# Altium PCB test.PcbDoc (part 2 of 2)
Units mil, origin at the board's own origin, x right, y up, seen from the top; angles counter-clockwise.
Board outline 3937.01 x 2755.91 mil, 2 copper layers (Top Layer, Bottom Layer); 153 components, 162 nets, 624 pads, 157 vias.
Unrouted connection lines stored in the file: 2.
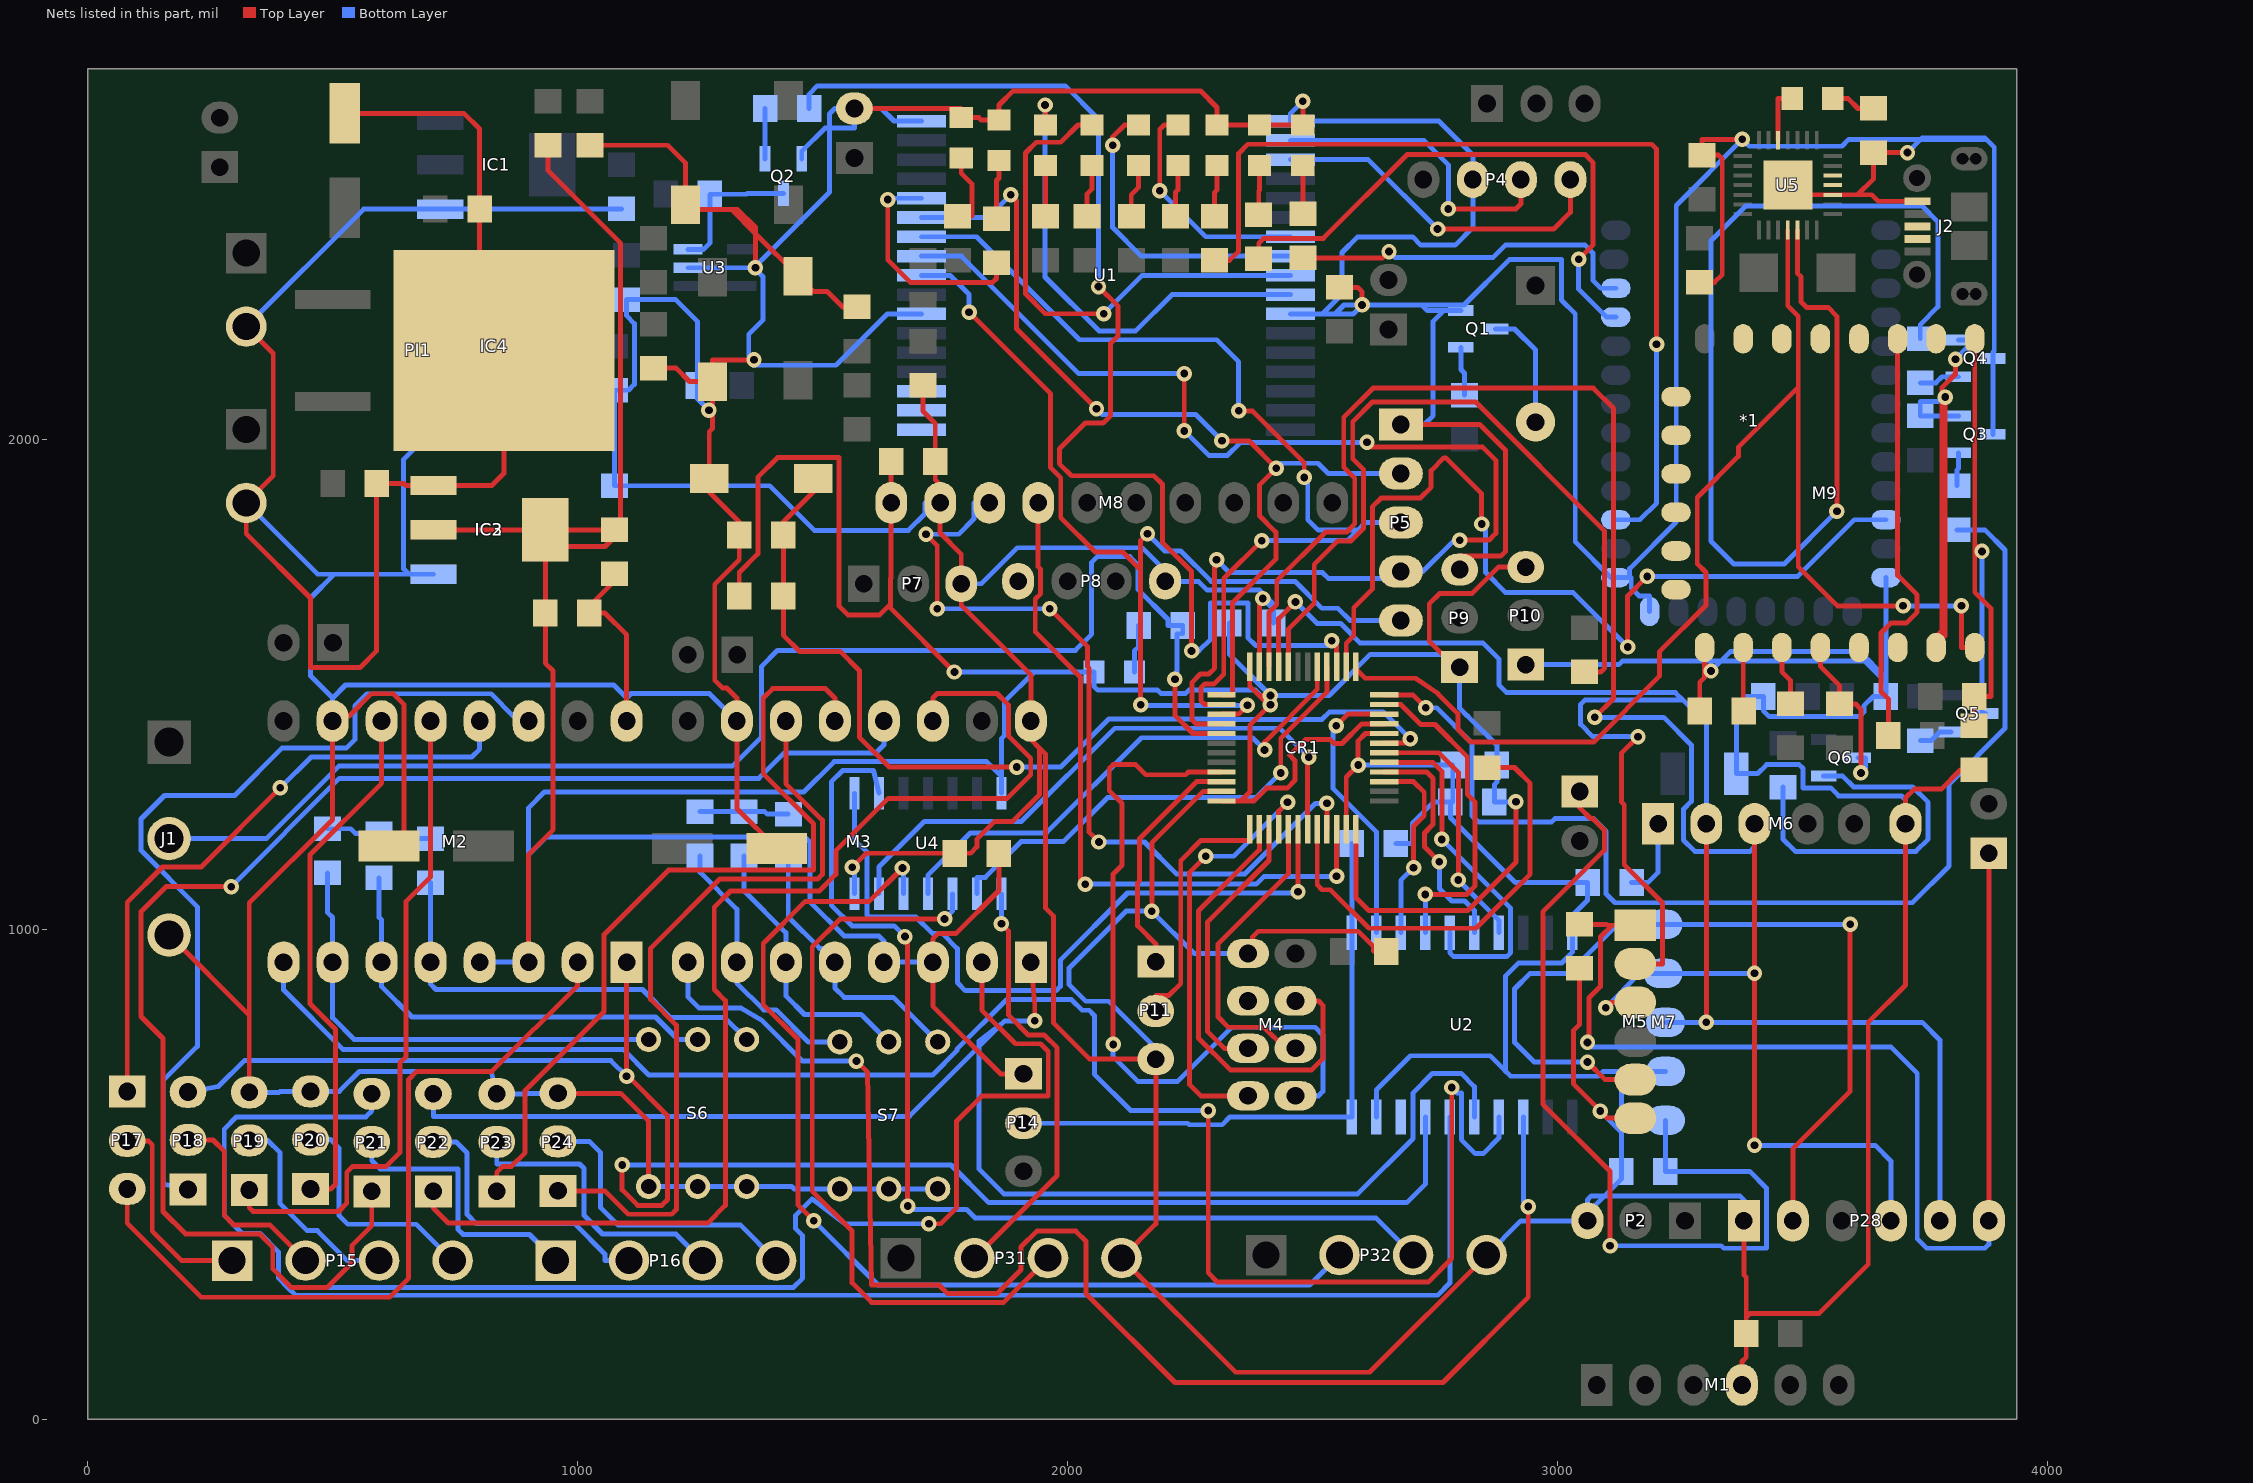
[diagram p2: the nets of this part, all layers, seen from the top]

## Via types
v1: diameter 31.5, hole 15.75, Top Layer to Bottom Layer, 157 vias

## Nets (pads, with @x,y where several pads share a name; then routed paths per layer and width w, separated by ;. In a path a pad name is that pad's centre, name@x,y a point inside that pad or via, vN(x,y) a via of type N, cw(c..) or ccw(c..) an arc to the next point about the centre after c; other vN are vias at no path point) (continued)
DWM_SPI_CLK: CR1.26 P5.3 U1.28 | length 1994.8
  Top Layer w10: CR1.26@2314,1458.58 2280,1458.58 2272,1466.58 2272,1492.61 2280,1500.61 2299.3,1500.61 2318.69,1520 2318.69,1715.69 v1(2396,1793) ; v1(2349,2058) 2377,2058 2483,1952 v1(2483,1922)
  Bottom Layer w10: U1.28@1701.85,2413.11 1814.21,2413.11 2024.32,2203 2304,2203 2349,2158 v1(2349,2058) ; v1(2396,1793) 2571,1793 2592.5,1814.5 ; v1(2483,1922) 2490,1915 2490,1836 2511.5,1814.5 2592.5,1814.5 ; P5.3@2680,1830 2608,1830 2592.5,1814.5
DWM_SPI_CSn: CR1.25 P5.2 U1.29 | length 1945.2
  Top Layer w10: v1(1884,2499) 1896,2487 1896,2225 v1(2059,2062) ; CR1.25@2314,1478.27 2336.69,1478.27 2336.69,1666.71 2425,1755.01 2425,1810.53 2391.25,1844.28 2391.25,1906.25 v1(2426,1941) 2370.25,1996.75 v1(2315,1996.75)
  Bottom Layer w10: U1.29@1701.85,2452.48 1837.48,2452.48 v1(1884,2499) ; v1(2059,2062) 2070.25,2050.75 2261,2050.75 v1(2315,1996.75) ; v1(2426,1941) 2436,1951 2511,1951 2532,1930 P5.2@2680,1930
DWM_SPI_MISO: CR1.27 P5.5 U1.26 | length 2077.5
  Top Layer w10: v1(1799,2259) 1965.25,2092.75 1965.25,1942 1986,1921.25 1986,1840 2056,1770 2112,1770 2149,1733 ; v1(2149,1458) 2149,1733 ; v1(2163,1807) 2149,1793 2149,1733 ; CR1.27@2314,1438.9 2348.9,1438.9 v1(2367,1457)
  Bottom Layer w10: U1.26@1701.85,2334.37 1760,2334.37 1799,2295.37 v1(1799,2259) ; v1(2149,1458) 2150,1457 v1(2367,1457) ; v1(2163,1807) 2198,1772 2231,1772 2293,1710 2464,1710 2519,1655 2551.46,1655 2576.46,1630 P5.5@2680,1630
DWM_SPI_MOSI: CR1.28 P5.4 U1.27 | length 2638.3
  Top Layer w10: v1(2238,2017) v1(2238,2134) ; v1(2304,1754) 2304,1742 2300,1738 2300,1533 2288,1521 2271,1521 2254,1504 2254,1426.98 2261.77,1419.21 CR1.28@2314,1419.21 ; v1(2611,1993.61) 2611,1992 2619,1984 2847,1984 2874,1957 2874,1808 2860,1794 v1(2800,1794)
  Bottom Layer w10: U1.27@1701.85,2373.74 1783.26,2373.74 2023,2134 v1(2238,2134) ; v1(2238,2017) 2288,1967 2326.39,1967 2353,1993.61 v1(2611,1993.61) ; v1(2304,1754) 2330,1728 2520,1728 2532,1716 2668,1716 2668,1730 P5.4@2680,1730 2725,1730 2789,1794 v1(2800,1794)
DWM_SWCLK: P4.2 U1.2 | length 634.8
  Top Layer w10: v1(2777,2470) 2915,2470 2925,2480 P4.2@2925,2530
  Bottom Layer w10: U1.2@2455,2609.96 2727.04,2609.96 2777,2560 v1(2777,2470)
DWM_SWDIO: P4.1 U1.3 | length 710.7
  Top Layer w10: v1(2755,2429) 2992,2429 3026,2463 P4.1@3026,2530
  Bottom Layer w10: U1.3@2455,2570.59 2613.41,2570.59 v1(2755,2429)
DWM_TX: P8.1
DWM_TX_LED: R10.2 U1.30 | length 469.4
  Top Layer w10: v1(1633,2489) 1633,2366 1679,2320 1847,2320 1855,2328 R10.2@1855,2360
  Bottom Layer w10: v1(1633,2489) 1635.85,2491.85 U1.30@1701.85,2491.85
ENC_1A: P31.2 U4.1 | length 879.5
  Top Layer w10: P31.2@1810,328.86 1978.5,497.36 1978.5,758.19 1952.44,784.25 1920,784.25 1879,825.25 1879,997 v1(1865,1011)
  Bottom Layer w10: v1(1865,1011) U4.1@1865,1072.5
ENC_1B: P31.3 U4.3 | length 1524.8
  Top Layer w10: v1(1749,1021) 1536,1021 1479,964 1479,465.5 1560.23,384.27 1560.23,278.29 1600,238.52 1869.66,238.52 P31.3@1960,328.86
  Bottom Layer w10: v1(1749,1021) 1765,1037 U4.3@1765,1072.5
ENC_2A: P32.2 U4.5 | length 2162.3
  Top Layer w10: v1(1482,405) 1450,437 1450,775 1379,846 1379,971 1465,1057 1595,1057 v1(1663,1125)
  Bottom Layer w10: v1(1482,405) 1613,274 2494,274 P32.2@2555,335 ; v1(1663,1125) 1665,1123 U4.5@1665,1072.5
ENC_2B: P32.3 U4.9 | length 2197
  Top Layer w10: v1(1668,985) 1673.59,979.41 v1(1673.59,435)
  Bottom Layer w10: U4.9@1615,1277.5 1604,1324 1541,1324 1518,1301 1518,1049 1560,1007 1646,1007 v1(1668,985) ; v1(1673.59,435) 1680.59,428 1794,428 1811,411 2629,411 P32.3@2705,335
ESP_ADC: M9.2
ESP_ENB: M9.3 R34.2 | length 881.5
  Top Layer w10: R34.2@3675,1395 3675,1470 3660,1485 3660,1604.6 3680,1624.6 3711.1,1624.6 3733.75,1647.25 3733.75,1682.25 3693.74,1722.26 M9.3@3693.74,2204.92
ESP_GPIO0: M9.18 Q6.3 R32.2 | length 359
  Top Layer w10: M9.18@3536.26,1575 3536.26,1536.74 3575,1498 R32.2@3575,1460 3608,1460 3619,1449 v1(3619,1319)
  Bottom Layer w10: Q6.3@3613.36,1350 3628,1350 3628,1328 v1(3619,1319)
ESP_GPIO2: M9.17 R33.2 | length 122.2
  Top Layer w10: M9.17@3457.52,1575 3457.52,1525.48 3475,1508 R33.2@3475,1460
ESP_GPIO4: M9.19
ESP_GPIO5: M9.20
ESP_GPIO9: M9.11
ESP_GPIO10: M9.12
ESP_GPIO12: M9.6
ESP_GPIO13: M9.7
ESP_GPIO14: M9.5
ESP_GPIO15: M9.16 R36.2 | length 131.2
  Top Layer w10: M9.16@3378.78,1575 3378.78,1445 R36.2@3380,1445
ESP_GPIO16: M9.4
ESP_nRST: C34.2 M9.1 Q5.3 R35.2 | length 1197.1
  Top Layer w10: C34.2@3850,1415 R35.2@3850,1475 3884.22,1475 3884.22,1654.78 3851.22,1687.78 3851.22,1785.78 ; M9.1@3851.22,2204.92 3851.22,1785.78 ; v1(3866,1771) 3851.22,1785.78
  Bottom Layer w10: v1(3866,1771) 3866,1440 Q5.3@3873.36,1440
ESP_RX: M9.21 Q3.2 Q4.2 R29.1 | length 1362.2
  Top Layer w10: M9.21@3772.48,1575 M9.21@3772.48,1598.25 ; v1(3791,2086) 3791,1598.25 M9.21@3772.48,1598.25 ; v1(3812,2163) 3812,2133 3784.75,2105.75 3784.75,1610.52 M9.21@3772.48,1598.25
  Bottom Layer w10: v1(3791,2086) 3782,2077 3740,2077 R29.1@3740,2047.5 Q3.2@3817.79,2047.5 ; v1(3812,2163) 3851.5,2202.5 Q4.2@3817.79,2202.5
ESP_SPI_CLK: M9.14
ESP_SPI_INT: M9.13
ESP_SPI_MISO: M9.10
ESP_SPI_MOSI: M9.9
ESP_TX: CR1.13 M9.22 U5.25 | length 2652.7
  Top Layer w10: CR1.13@2588.27,1536 2588.27,1531.26 2607.24,1512.3 2709.75,1512.3 2755.67,1480.75 2796.42,1440 2796.42,1408.58 2823,1382 3073.34,1382 3207.75,1516.4 3207.75,1566.2 3302.77,1661.23 3302.77,1728 3285,1745.77 3285,1881 3369,1965 3369,1984 3491,2106 ; U5.25@3469.69,2427 3469.69,2272.31 3491,2251 3491,2106 ; v1(3705,1660) 3571,1660 3491,1740 3491,2106 ; v1(3824,1660) 3824,1575 M9.22@3851.22,1575
  Bottom Layer w10: v1(3705,1660) v1(3824,1660)
LED: CR1.29 J1.2 R19.1 | length 2879.6
  Top Layer w10: v1(2219,1510) 2219,1436.53 2256,1399.53 CR1.29@2314,1399.53
  Bottom Layer w10: J1.2@166.34,1185 365,1185 513.5,1333.5 1316.5,1333.5 1375,1392 1375,1536 1408,1569 2016,1569 2049,1602 2049,1749 2060.5,1760.5 2127,1760.5 2143.5,1744 2143.5,1693.5 2205,1632 2205,1620 R19.1@2235,1620 2235,1603.11 2223.34,1603.11 2223.34,1514.34 v1(2219,1510)
MTR1_A1: M2.13 P17.1 | length 1291.9
  Top Layer w10: P17.1@81,669 81,1055 153,1127 232,1127 v1(393.5,1288.5)
  Bottom Layer w10: v1(393.5,1288.5) 456.5,1351.5 784,1351.5 800,1367.5 M2.13@800,1425
MTR1_A2: M2.14 P18.1 | length 1839.2
  Bottom Layer w10: P18.1@205,469 154.5,480 154.5,691.5 224,761 224,1046 109.05,1160.95 109.05,1225.05 157,1273 300,1273 396.5,1369.5 528,1369.5 545.5,1387 545.5,1456 570,1480.5 823.5,1480.5 869,1435 900,1435 M2.14@900,1425
MTR1_B1: M2.12 P19.1 | length 1340.2
  Top Layer w10: P19.1@330,468 330,432 338,424 512,424 529,441 529,504 541,516 609.33,516 637.33,544 637.33,727.5 650,740.17 650,1057 700,1107 M2.12@700,1425
MTR1_B2: M2.11 P20.1 | length 1082.2
  Top Layer w10: P20.1@455,470 496,470 506,480 506,796 454,848 454,1152 600,1298 M2.11@600,1425
MTR1_C1: P15.1 P17.2 | length 418.3
  Top Layer w10: P17.2@81,568 124,568 132,560 132,383.86 192,323.86 P15.1@295,323.86
MTR1_C2: P15.2 P18.2 | length 418.7
  Top Layer w10: P18.2@205,570 256,570 279,547 279,416 298.8,396.2 372.66,396.2 P15.2@445,323.86
MTR1_C3: P15.3 P19.2 | length 427.5
  Bottom Layer w10: P19.2@330,569 368,569 393,544 393,440 448,385 469,385 530.14,323.86 P15.3@595,323.86
MTR1_C4: P15.4 P20.2 | length 473.2
  Bottom Layer w10: P20.2@455,571 496,571 513,554 513,416 531,398 670.86,398 P15.4@745,323.86
MTR1_DIR: M2.1 P18.3 U2.17 | length 3438.8
  Top Layer w10: v1(1091,519) 1091,468 1122.59,436.41 1172,436.41 1183.59,448 1183.59,619.41 v1@1100,703 ; v1(1100,700) v1@1100,703 ; M2.1@1100,932.87 v1@1100,703
  Bottom Layer w10: P18.3@205,668 267,679 320,732 1068,732 v1(1100,700) ; v1(1091,519) 1762,519 1839,442 2692,442 2730,480 U2.17@2730,617
MTR1_ENB: M2.8 U2.14 | length 3714.5
  Top Layer w10: v1(2287,630) 2287,299 2306,280 2736,280 2784,328 v1(2784,677)
  Bottom Layer w10: M2.8@400,932.87 400,876 521,755 1093,755 1145.75,702.25 1724.25,702.25 1774,752 1774,754.73 1876,856.73 2007.81,856.73 2029.8,834.75 2044,834.75 2054.75,824 2054.75,704 2128.75,630 v1(2287,630) ; v1(2784,677) 2795,666 2803.5,666 2803.5,570.5 2832,542 2848,542 2880,574 U2.14@2880,617
MTR1_PWM: M2.2 P17.3 | length 1600.3
  Top Layer w10: P17.3@81,470 81,400 232,249 616.33,249 655.33,288 655.33,693.33 672,710 825,710 1000,885 M2.2@1000,932.87
MTR1_PWM_MCU: U2.18
MTR2_A1: M3.13 P21.1 | length 2995.3
  Top Layer w10: v1(293,1087) 160,1087 109,1036 109,822 154,777 154,424 199.8,378.2 351,378.2 378,351.2 378,307 416,269 489,269 540,320 540,355 580,395 P21.1@580,465
  Bottom Layer w10: v1(293,1087) 514,1308 1370,1308 1422,1360 1609,1360 1625,1376 M3.13@1625,1425
MTR2_A2: M3.14 P22.1 | length 2437.1
  Top Layer w10: P22.1@705.83,465 705.83,431.17 736.59,400.41 1265.59,400.41 1301.59,436.41 1301.59,854.41 1279,877 1279,1045 1312,1078 1493,1078 1527.06,1112.06 1527.06,1159.94 1634.11,1267 1876.84,1267 1924.75,1314.91 1924.75,1348.75 1879,1394.5 1879,1458 1856,1481 1734,1481 1725,1472 M3.14@1725,1425
MTR2_B1: M3.12 P23.1 | length 1709.9
  Top Layer w10: P23.1@835,465 835,504 847,516 865,516 893,544 893,671 1054,832 1054,989 1185.5,1120.5 1481.47,1120.5 1481.47,1214.99 1379,1317.46 1379,1472 1398,1491 1506,1491 1525,1472 M3.12@1525,1425
MTR2_B2: M3.11 P24.1 | length 1576.9
  Top Layer w10: P24.1@960,466 1055.77,466 1103.36,418.41 1192,418.41 1201.59,428 1201.59,804.41 1149,857 1149,961 1290.5,1102.5 1489.97,1102.5 1499.47,1112 1499.47,1222.53 1425,1297 M3.11@1425,1425
MTR2_C1: P16.1 P21.2 | length 570.2
  Bottom Layer w10: P21.2@580,566 580,528 597,511 756.33,511 756.33,387 766.33,377 901.82,377 P16.1@955,323.82
MTR2_C2: P16.2 P22.2 | length 580.7
  Bottom Layer w10: P22.2@705.83,566 752,566 774.33,543.67 774.33,418.2 793.52,399 994,399 1056,337 1056,323.82 P16.2@1105,323.82
MTR2_C3: P16.3 P23.2 | length 602.9
  Bottom Layer w10: P23.2@835,566 835,521 1004,521 1013,512 1013,416 1050.84,378.16 1200.66,378.16 P16.3@1255,323.82
MTR2_C4: P16.4 P24.2 | length 611.3
  Bottom Layer w10: P24.2@960,567 1024,567 1047,544 1047,432 1082.84,396.16 1332.66,396.16 P16.4@1405,323.82
MTR2_DIR: M3.1 P22.3 U2.15 | length 3063.6
  Top Layer w10: M3.1@1925,932.87 1933,845 v1(1933,813)
  Bottom Layer w10: P22.3@705.83,664 705.83,618 1677,618 1819,760 ; v1(1933,813) 1872,813 ; U2.15@2830,617 2830,678.84 2803.09,705.75 2744.75,705.75 2705,666 2705,573 2592,460 1870,460 1819,511 1819,760 ; 1819,760 1872,813 ; 1819,760 1819,772 1872,813
MTR2_ENB: M3.8 U2.13 | length 2994.3
  Top Layer w10: v1(1569,731) 1592,708 1600,274 1737.66,274 1755.14,256.52 1856,256.52 1905,305.52 1905,352 1937,384 2017,384 2037.66,363.34 2037.66,256.52 2219.18,75 2766,75 2940,249 v1(2940,434)
  Bottom Layer w10: M3.8@1225,932.87 1225,862 1248,839 1334,839 1376,814 1459,731 v1(1569,731) ; U2.13@2930,617 2930,444 v1(2940,434)
MTR2_PWM: M3.2 P21.3 U2.16 | length 5786.1
  Top Layer w10: v1(1717,399) 1741.18,399 1773.59,431.41 1773.59,608.59 1824.5,659.5 1960.5,659.5 1960.5,750.5 1944.75,766.25 1893.59,766.25 1825,834.85 M3.2@1825,932.87
  Bottom Layer w10: P21.3@580,664 580,629 568,617 304,617 279,592 279,416 316,379 352,379 390,341 390,288 409,269 ; v1(1717,399) 1545.5,399 1478.75,449.75 1445,416 1445,389.16 1459.34,374.82 1459.34,288 1440.34,269 409,269 ; U2.16@2780,617 2780,278 2755,253 425,253 409,269
Net*1_11: *1.11 CR1.14 | length 1875.5
  Top Layer w10: CR1.14@2568.58,1536 2568.58,1583.58 2584,1599 2584,1656 2622,1694 2622,1862 2640,1880 2720,1880 2742,1902 2742,1936 2768,1962 2772,1962 2845,1889 v1(2845,1827) ; v1(3143,1576) 3143,1680 v1(3183,1720)
  Bottom Layer w10: v1(2845,1827) 2853,1819 2853,1728 2894,1687 3032,1687 v1(3143,1576) ; v1(3183,1720) 3490,1720 3605.67,1835.67 *1.11@3670,1835.67
Net*1_24: *1.24 R3.1 | length 1940.5
  Top Layer w10: R3.1@2300,2365 2330,2365 2349,2384 2349,2583 2368,2602 3192,2602 3202,2592 v1(3202,2194)
  Bottom Layer w10: *1.24@3118.82,1835.67 3168,1835.67 3202,1869.67 v1(3202,2194)
Net*1_31: *1.31 R2.1 | length 1165.4
  Top Layer w10: R2.1@2390,2368.54 2390,2400 2400,2410 2522,2410 2693,2581 3056,2581 3072,2565 3072,2396 v1(3043,2367)
  Bottom Layer w10: v1(3043,2367) 3043,2306.06 3100,2249.06 *1.31@3118.82,2249.06
Net*1_32: *1.32 R1.1 | length 728.6
  Top Layer w10: R1.1@2480,2370 2643,2370 v1(2655.94,2382.94)
  Bottom Layer w10: v1(2655.94,2382.94) 2667.82,2371.06 2868.45,2371.06 2893.39,2396 3056,2396 3072,2380 3072,2324.11 3088,2308.11 *1.32@3118.82,2308.11
NetB*1_2: B*1.2 Q1.3 | length 246.5
  Bottom Layer w10: Q1.3@2873.36,2225 2912,2225 2955,2182 B*1.2@2955,2035
NetC24_2: C24.2 M5.1 P28.6 P29.1 | length 2366.7
  Top Layer w10: C24.2@3045,1010 3100,1010 3101.89,1008.11 3111.11,1008.11 ; v1(3061,769) 3063.78,771.78 3063.78,859.78 3087.53,883.53 3087.53,984.53 3111.11,1008.11 ; M5.1@3158.78,1008.11 3111.11,1008.11 ; P28.6@3880,405 P29.1@3880,1155
  Bottom Layer w10: v1(3061,769) 3070,760 3680,760 3734,706 3734,368 3753,349 3872,349 3880,357 P28.6@3880,405
NetC26_2: C26.2 M7.1 P30.1 | length 1827.7
  Top Layer w10: P30.1@3045,1281 3045,1248 3067,1226 3072,1226 3095.5,1202.5 3095.5,1161 2970,1035.5 2970,643 3107,506 v1(3107,354)
  Bottom Layer w10: v1(3107,354) 3334,354 3339,349 3426,349 3426,472 3392,506 C26.2@3220,506 M7.1@3220,610
NetCR1_3: CR1.3 U2.3 | length 396.8
  Top Layer w10: CR1.3@2646,1301.1 2705.87,1301.1 2727.75,1279.23 2727.75,1231.92 2706,1210.17 v1(2706,1125.76)
  Bottom Layer w10: U2.3@2680,993 2680,1099.76 v1(2706,1125.76)
NetCR1_4: CR1.4 U2.6 | length 484.8
  Top Layer w10: CR1.4@2646,1320.79 2732.71,1320.79 2745.75,1307.75 2745.75,1213.92 2728.25,1196.43 2728.25,1168.31 v1(2758.57,1138)
  Bottom Layer w10: v1(2758.57,1138) 2758.57,1083.12 2784,1057.69 2810.47,1057.69 2830,1038.15 U2.6@2830,993
NetCR1_5: CR1.5 U2.5 | length 725.2
  Top Layer w10: CR1.5@2646,1340.47 2745.5,1340.47 2763.75,1322.22 v1(2763.75,1183.3)
  Bottom Layer w10: v1(2763.75,1183.3) 2904,1043.05 2904,952 2896,944 2788,944 2780,952 U2.5@2780,993
NetCR1_6: CR1.6 U2.7 | length 529.3
  Top Layer w10: CR1.6@2646,1360.16 2757.34,1360.16 2797.5,1320 v1(2797.5,1100.5)
  Bottom Layer w10: v1(2797.5,1100.5) 2880,1018 U2.7@2880,993
NetCR1_10: CR1.10 U2.2 | length 568.8
  Top Layer w10: v1(2548,1415) 2571.9,1438.9 CR1.10@2646,1438.9
  Bottom Layer w10: v1(2548,1415) 2542,1409 2542,1287 2630,1199 U2.2@2630,993
NetCR1_11: CR1.11 U2.4 | length 670.1
  Top Layer w10: CR1.11@2646,1458.58 2680,1458.58 2720.83,1417.75 2749.75,1417.75 2815.5,1352 2815.5,1275.5 2831,1260 2831,1088 2814,1071 v1(2730,1071)
  Bottom Layer w10: U2.4@2730,993 v1(2730,1071)
NetCR1_12: CR1.12 R28.2 | length 2334.5
  Top Layer w10: CR1.12@2646,1478.27 2704.73,1478.27 v1(2731,1452)
  Bottom Layer w10: v1(2731,1452) 2753,1452 2825,1380 2825,1232 2838,1219 2988,1219 2995,1226 3073,1226 3099,1200 3099,1072 3117,1054 3724,1054 3799,1129 3799,1296 3913,1410 3913,1774 3872,1815 R28.2@3815,1815
NetCR1_15: CR1.15 R27.1 | length 2544.8
  Top Layer w10: v1(2063,2311.49) 2102.49,2272 2102.49,2210.25 2087.75,2195.51 2087.75,2048 2072.75,2033 2036.25,2033 1983.25,1980 1983.25,1950.25 2008,1925.5 2176,1925.5 2194,1907.5 2194,1789 2253,1730 v1(2253,1568) ; v1(2539,1589) 2548.9,1579.1 CR1.15@2548.9,1536
  Bottom Layer w10: R27.1@1472.5,2675 1472.5,2704 1489.5,2721 1995,2721 2063,2653 v1(2063,2311.49) ; v1(2253,1568) 2268,1568 2292,1592 2292,1665.5 2368,1665.5 2368,1595 2384,1579 2529,1579 v1(2539,1589)
NetCR1_16: CR1.16 U4.2 | length 997.8
  Top Layer w10: v1(2435,1319) 2435,1389.54 2529.21,1483.76 CR1.16@2529.21,1536
  Bottom Layer w10: U4.2@1815,1072.5 1815,1106 1832.25,1106 1905,1178.75 1991.5,1178.75 2081.63,1268.87 2384.87,1268.87 v1(2435,1319)
NetCR1_17: CR1.17 U4.4 | length 1065.6
  Top Layer w10: v1(2402,1366) 2402,1382 2509.53,1489.53 CR1.17@2509.53,1536
  Bottom Layer w10: U4.4@1715,1072.5 1715,1110 1801.75,1196.75 1956.75,1196.75 2150.75,1390.75 2377.25,1390.75 v1(2402,1366)
NetCR1_20: CR1.20 R16.2 | length 1552.4
  Top Layer w10: CR1.20@2450.47,1536 2450.47,1612.33 2503.25,1665.11 2503.25,1744.78 2551,1792.53 2578.53,1792.53 2604,1818 2604,1938 2582,1960 2582,2036 2622,2076 2832.54,2076 3096,1812.54 3096,1533 3088,1525 R16.2@3055,1525
NetCR1_33: CR1.33 M4.8 | length 1525.9
  Top Layer w10: v1(2093,765) 2093,1112.76 2111,1130.76 2111,1257 2085,1283 2085,1328 2093,1336 2139,1336 2159.75,1315.25 2241.14,1315.25 2246.68,1320.79 CR1.33@2314,1320.79
  Bottom Layer w10: v1(2093,765) 2093,740 2144,689 2224,689 2335,800 2505,800 2521,784 2521,669 2512,660 M4.8@2465,660
NetCR1_38: CR1.38 M4.4 | length 936.3
  Top Layer w10: CR1.38@2391.42,1204 2391.42,1162 2267.15,1037.73 2267.15,777.85 2332,713 2498,713 2521,736 2521,844.7 2512,853.7 M4.4@2465,853.7
NetCR1_39: CR1.39 M4.5 | length 561.9
  Top Layer w10: M4.5@2368.15,756.85 2320,756.85 2285.15,791.7 2285.15,1014.43 2411.1,1140.38 CR1.39@2411.1,1204
NetCR1_40: CR1.40 M4.7 | length 883.3
  Top Layer w10: v1(2282,1149) 2249.15,1116.15 2249.15,682.85 2272,660 M4.7@2368.15,660 ; CR1.40@2430.79,1204 2430.79,1240.91 v1(2448.91,1259.03)
  Bottom Layer w10: v1(2282,1149) 2338.88,1149 v1(2448.91,1259.03)
NetCR1_41: CR1.41 M4.6 | length 626.7
  Top Layer w10: CR1.41@2450.47,1204 2450.47,1113.5 2307.22,970.25 2307.22,820.93 2328.15,800 2400.85,800 2444,756.85 M4.6@2465,756.85
NetCR1_42: CR1.42 U4.8 | length 1485.2
  Top Layer w10: v1(2470.16,1076.72) CR1.42@2470.16,1204
  Bottom Layer w10: U4.8@1565,1277.5 1565,1183 1591,1157 1591,1029 1595,1025 1690.36,1025 1723.86,991.5 1744,991.5 1775,960.5 1775,891.25 1791.52,874.73 1976.48,874.73 1985.25,883.5 1985.25,937 2122.25,1074 2467.44,1074 v1(2470.16,1076.72)
NetCR1_43: CR1.43 U4.6 | length 1221.3
  Top Layer w10: CR1.43@2489.84,1204 2489.84,1348.84 v1(2492,1351)
  Bottom Layer w10: U4.6@1615,1072.5 1615,1127 1708,1220 1906,1220 2096.25,1410.25 2432.75,1410.25 v1(2492,1351)
NetCR1_44: CR1.44 R15.1 | length 917.2
  Top Layer w10: CR1.44@2509.53,1204 2509.53,1090.42 2519.26,1080.68 2536.32,1080.68 2615,1002 2833.48,1002 2944,1112.52 2944,1298 2912,1330 R15.1@2856,1330
NetCR1_45: CR1.45 M8.3 | length 1688.1
  Top Layer w10: v1(1711,1806) 1734,1783 v1(1734,1654) ; v1(1963.74,1654) 2041,1576.74 2041,1535.72 2044,1532.72 2044,1198 v1(2064,1178) ; CR1.45@2529.21,1204 v1(2529.21,1257)
  Bottom Layer w10: v1(1711,1806) 1777.5,1806 1809,1837.5 1809,1870 M8.3@1840,1870 ; v1(1734,1654) v1(1963.74,1654) ; v1(2064,1178) 2157,1178 2222,1113 2362,1113 2506,1257 v1(2529.21,1257)
NetCR1_46: CR1.46 M8.4 | length 1442.4
  Top Layer w10: M8.4@1940,1870 1940,1740 1945,1735 1945,1685 1934,1674 1934,1606.72 2026,1514.72 2026,1102 v1(2036,1092) ; v1(2548.9,1108) CR1.46@2548.9,1204
  Bottom Layer w10: v1(2036,1092) 2385,1092 2401,1108 v1(2548.9,1108)
NetD1_2: D1.2 R1.2 | length 98.7
  Top Layer w10: R1.2@2480,2460 D1.2@2480,2558.66
NetD2_2: D2.2 R2.2 | length 100.7
  Top Layer w10: R2.2@2390,2458.54 2390,2507 2391.42,2508.42 D2.2@2391.42,2558.66
NetD3_2: D3.2 R3.2 | length 105.7
  Top Layer w10: R3.2@2300,2455 2300,2504 2305,2509 D3.2@2305,2558.66
NetD4_1: D4.1 U1.7 | length 471.8
  Top Layer w10: v1(2188,2507) 2188,2632 2197.34,2641.34 D4.1@2225,2641.34
  Bottom Layer w10: v1(2188,2507) 2281.89,2413.11 U1.7@2455,2413.11
NetD4_2: D4.2 R9.1 | length 105.7
  Top Layer w10: R9.1@2220,2455 2220,2504 2225,2509 D4.2@2225,2558.66
NetD5_1: D5.1 U1.8 | length 635.2
  Top Layer w10: v1(2092,2600) 2092,2617 2116.34,2641.34 D5.1@2145,2641.34
  Bottom Layer w10: v1(2092,2600) 2092,2432 2150.26,2373.74 U1.8@2455,2373.74
NetD5_2: D5.2 R8.1 | length 109.9
  Top Layer w10: R8.1@2130,2455 2130,2499 2145,2514 D5.2@2145,2558.66
NetD6_1: D6.1 U1.9 | length 1037.4
  Top Layer w10: D6.1@2050,2641.34 2021.34,2641.34 1986,2606 1936,2606 1914,2584 1914,2296.55 1954.45,2256.1 v1(2073.74,2256.1)
  Bottom Layer w10: v1(2073.74,2256.1) 2152.01,2334.37 U1.9@2455,2334.37
NetD6_2: D6.2 R7.1 | length 107.8
  Top Layer w10: R7.1@2040,2455 2040,2501 2050,2511 D6.2@2050,2558.66
NetD7_1: D7.1 U1.10 | length 969.3
  Top Layer w10: v1(1954,2682) 1955,2681 D7.1@1955,2641.34
  Bottom Layer w10: v1(1954,2682) 1954,2331 2064,2221 2139,2221 2213,2295 U1.10@2455,2295
NetD7_2: D7.2 R6.1 | length 103.7
  Top Layer w10: R6.1@1955,2455 D7.2@1955,2558.66
NetD8_2: D8.2 R10.1 | length 120.7
  Top Layer w10: R10.1@1855,2450 1855,2528.07 1860,2533.07 D8.2@1860,2568.66
NetD9_2: D9.2 R11.1 | length 157.4
  Top Layer w10: R11.1@1775,2455 1804.75,2455 1804.75,2521.15 1783,2542.9 D9.2@1783,2573.66
NetD10_1: D10.1 R19.2 | length 98.6
  Bottom Layer w10: D10.1@2136.34,1525 2136.34,1568 2145,1576.66 R19.2@2145,1620
NetD11_1: D11.1 R31.2 | length 91.9
  Top Layer w10: D11.1@3561.34,2695 3593,2695 3613,2675 R31.2@3645,2675
NetD11_2: D11.2 U5.12 | length 113.7
  Top Layer w10: U5.12@3450,2610 3450,2695 D11.2@3478.66,2695
NetM2_5: M2.5 R22.1 S6.4 | length 898.8
  Bottom Layer w10: R22.1@700,1095 M2.5@700,932.87 700,888 711,877 1132.56,877 1189.78,819.78 1300.22,819.78 S6.4@1345,775
NetM2_6: M2.6 R21.1 S6.5 | length 913.8
  Bottom Layer w10: R21.1@595,1105 595,1024 600,1019 M2.6@600,932.87 600,883 662,821 1159,821 1205,775 S6.5@1245,775
NetM2_7: M2.7 R20.1 S6.6 | length 963.4
  Bottom Layer w10: R20.1@490,1115 490,1034 500,1024 M2.7@500,932.87 500,819 544,775 S6.6@1145,775
NetM3_5: M3.5 R25.1 S7.4 | length 578.1
  Bottom Layer w10: R25.1@1430,1145 1430,1025 1494,961 1525,961 M3.5@1525,932.87 1525,880 1544,861 1644,861 S7.4@1735,770
NetM3_6: M3.6 R24.1 S7.5 | length 570.1
  Bottom Layer w10: R24.1@1340,1150 1340,1078 1425,993 M3.6@1425,932.87 1425,864 1463,826 1579,826 S7.5@1635,770
NetM3_7: M3.7 R23.1 S7.6 | length 550.8
  Bottom Layer w10: R23.1@1250,1150 1250,1116 1325,1041 M3.7@1325,932.87 1325,890 1379.64,835.36 1405.36,835.36 1470.72,770 S7.6@1535,770
NetM4_3: M4.3
NetQ1_1: Q1.1 R18.2 | length 100.5
  Bottom Layer w10: Q1.1@2802.79,2187.5 2802.79,2142.21 2810,2135 R18.2@2810,2090
NetQ2_1: Q2.1 R27.2 | length 102.8
  Bottom Layer w10: Q2.1@1382.5,2572.21 R27.2@1382.5,2675
NetQ2_3: Q2.3 R26.1 U3.3 | length 300.6
  Bottom Layer w10: U3.3@1225.25,2387.4 1257.4,2387.4 1270,2400 R26.1@1270,2500 1345,2500 1346.64,2501.64 Q2.3@1420,2501.64
NetQ3_1: Q3.1 R28.1 | length 68.7
  Bottom Layer w10: R28.1@3815,1905 3815,1937 3817.79,1939.79 Q3.1@3817.79,1972.5
NetQ4_1: Q4.1 R30.2 | length 83
  Bottom Layer w10: R30.2@3740,2115 3772,2115 3784.5,2127.5 Q4.1@3817.79,2127.5
NetQ5_1: Q5.1 R37.2 | length 70
  Bottom Layer w10: R37.2@3740,1385 3762,1385 3779.5,1402.5 Q5.1@3802.79,1402.5
NetQ6_1: Q6.1 R38.1 | length 733.1
  Bottom Layer w10: R38.1@3460,1290 3460,1184 3485,1159 3731,1159 3756,1184 3756,1259 3724.75,1290.25 3604,1290.25 3581.75,1312.5 Q6.1@3542.79,1312.5
NetR20_2: R20.2 R21.2 R22.2 | length 218.3
  Bottom Layer w10: R20.2@490,1205 537,1205 547,1195 R21.2@595,1195 642,1195 652,1185 R22.2@700,1185
NetR23_2: R23.2 R24.2 R25.2 | length 182.1
  Bottom Layer w10: R23.2@1250,1240 R24.2@1340,1240 1382,1240 1387,1235 R25.2@1430,1235
NetR30_1: R30.1 U5.26 | length 2326.8
  Top Layer w10: U5.26@3489.37,2427 3489.37,2339 3497,2331.37 3497,2280 3508,2269 3552,2269 3570,2251 v1(3570,1853)
  Bottom Layer w10: v1(3570,1853) 3462,1745 3360,1745 3313,1792 3313,2404.8 3384.2,2476 3744,2476 3776,2444 3776,2270 3740,2234 R30.1@3740,2205
NetU1_18: U1.18
NetU1_19: U1.19
NetU1_20: U1.20
NRST: C5.2 CR1.7 R14.1 S4.1 | length 1942.3
  Top Layer w10: S4.1@1481.3,1920 1481.3,1892.3 1420,1831 C5.2@1420,1805 R14.1@1420,1680 1420,1600 1453,1567 1536,1567 1575,1528 1575,1392 1636,1331 v1(1896,1331) ; CR1.7@2646,1379.84 2689.84,1379.84 v1(2699,1389)
  Bottom Layer w10: v1(1896,1331) 1986,1331 2084.09,1429.09 2337.87,1429.09 2338.71,1428.25 2519.25,1428.25 2534.75,1443.75 2644.25,1443.75 v1(2699,1389)
RF_CS: M5.5 M7.5 P28.2 | length 1780.3
  Top Layer w10: v1(3061,729) 3096.85,693.15 M5.5@3158.78,693.15 ; P28.2@3480,405 3480,552 3597,669 v1(3597,1010)
  Bottom Layer w10: v1(3061,729) 2952,729 2912,769 2912,878 2944,910 3023,910 3123,1010 M7.5@3215,1010 v1(3597,1010)
RF_RXD: CR1.21 M5.2 M6.2 M7.3 P28.5 | length 3620.9
  Top Layer w10: CR1.21@2430.79,1536 2430.79,1633.79 v1(2465,1668) ; M5.2@3158.78,929.37 3214.28,929.37 3214.28,1053.61 3136,1131.89 3136,1254 3130,1260 3130,1359 v1(3164,1393) ; v1(3303.43,810) M6.2@3303.43,1215
  Bottom Layer w10: v1(2465,1668) 2509.12,1623.88 2557.12,1623.88 2597,1584 2848,1584 2880,1552 2880,1499 2896,1483 3240.43,1483 3255.43,1468 ; v1(3164,1393) 3072,1393 3047,1418 3047,1459 3056,1468 3255.43,1468 ; M7.3@3220,810 v1(3303.43,810) 3744,810 3780,774 P28.5@3780,405 ; M6.2@3303.43,1215 3303.43,1420 3255.43,1468
RF_TXD: CR1.22 M5.3 M6.3 M7.4 P28.4 | length 3947.6
  Top Layer w10: CR1.22@2411.1,1536 2411.1,1646.61 2426.75,1662.25 2426.75,1711.08 2526.2,1810.53 2569.26,1810.53 2586,1827.27 2586,1920 2563.48,1942.52 2563.48,2044.48 2623.18,2104.18 3072.82,2104.18 3114,2063 3114,1470.5 v1(3076,1432.5) ; v1(3098,840) 3108.63,850.63 M5.3@3158.78,850.63 ; v1(3401.85,559) v1(3401.85,910) M6.3@3401.85,1215
  Bottom Layer w10: v1(3076,1432.5) 3216.5,1432.5 3273,1376 3273,1261 3257,1245 3257,1182 3280,1159 3392.85,1159 3401.85,1168 M6.3@3401.85,1215 ; v1(3098,840) 3168,910 M7.4@3215,910 v1(3401.85,910) ; v1(3401.85,559) 3648,559 3680,527 P28.4@3680,405
SWCLK: CR1.37 P11.2 | length 524.7
  Top Layer w10: P11.2@2180,833 2180,865 2207,865 2231,889 2231,1140 2272,1181 2371.73,1181 CR1.37@2371.73,1204
SWDIO: CR1.34 P11.1 | length 483.1
  Top Layer w10: P11.1@2180,934 2180,970 2143,1007 2143,1094.76 2147,1098.76 2147,1185.11 2262.99,1301.1 CR1.34@2314,1301.1
USB_D_N: J2.2 U5.5
USB_D_P: J2.3 U5.4
VCC: C25.2 M6.1 | length 161.7
  Bottom Layer w10: C25.2@3151,1095 3184,1095 3205,1116 M6.1@3205,1215
VCC_245: C10.2 P14.2 U2.1 U2.20 | length 1235.9
  Bottom Layer w10: P14.2@1910,604 2245,604 2248.03,600.97 2315.48,600.97 2331.51,617 U2.20@2580,617 U2.1@2580,993 C10.2@2580,1175
VDD: C6.2 C7.1 C8.1 C17.2 C18.2 C27.2 C28.2 CR1.9 CR1.24 CR1.36 CR1.48 D10.2 IC2.2 IC2.4 M2.3 M2.4 M3.3 M3.4 M8.1 P9.1 P10.3 P14.1 R14.2 R17.2 U4.14 | length 10514.9
  Top Layer w10: IC2.2@705.83,1815 IC2.4@934.17,1815 ; M2.3@900,932.87 900,1153 950,1203 950,1527 934.17,1542.83 C18.2@934.17,1645 IC2.4@934.17,1781 ; R17.2@940,2600 940,2548 1088,2400 1088,1813 1056,1781 IC2.4@934.17,1781 ; C17.2@1075,1815 IC2.4@934.17,1815 ; R14.2@1330,1680 1330,1728 1368,1766 1368,1922.53 1408,1962.53 1533.67,1962.53 1533.67,1659.33 1552,1641 1616,1641 1639,1664 ; C28.2@1640,1955 M8.1@1640,1870 1640,1717 1639,1716 1639,1664 ; v1(1769,1525) 1639,1655 1639,1664 ; C27.2@1860,1155 1860,1079 1772.5,991.5 1736,991.5 1725,980.5 M3.3@1725,932.87 1725,843 1863,705 P14.1@1910,705 ; CR1.36@2314,1261.73 2353.73,1261.73 ; CR1.24@2371.73,1536 2371.73,1496 2390.73,1477 ; v1(2414,1458) v1@2411.87,1455.87 ; v1(2414,1477) 2390.73,1477 ; CR1.48@2588.27,1204 2588.27,1064.83 2615.1,1038 2816,1038 2915,1137 v1(2915,1260) ; CR1.9@2646,1419.21 2600.21,1419.21 2560,1379 2544,1379 2536,1387 2485,1387 2453,1355 2464,1344 2464,1304 2448,1288 2406.27,1288 2380,1261.73 2353.73,1261.73 ; P9.1@2800,1535 2791,1535 2738,1588 2738,1664 2759,1685 2825,1685 2879,1739 P10.3@2935,1739 ; IC2.4@934.17,1781 IC2.4@934.17,1815 ; 2353.73,1261.73 2372,1280 2372,1416 v1@2411.87,1455.87 ; 2390.73,1477 v1@2411.87,1455.87
  Bottom Layer w10: M2.4@800,932.87 M2.3@900,932.87 900,1152 ; M3.3@1725,932.87 M3.4@1625,932.87 1625,976 1614.86,986.14 1543.86,986.14 1474,1056 1474,1178 1464,1188 936,1188 900,1152 ; v1(1769,1525) 1932,1525 ; U4.14@1865,1277.5 1865,1312 ; C6.2@2330,1625 2330,1561 v1(2414,1477) 2534,1477 2618,1561 2787,1561 2800,1548 P9.1@2800,1535 2800,1451 2816,1435 2817,1435 2876,1376 C8.1@2876,1335 2876,1300 2871,1295 C7.1@2871,1260 v1(2915,1260) ; v1(2414,1458) 2384,1488 2247.75,1488 2241,1481.25 2190.25,1481.25 2183.5,1488 2061.66,1488 2053.66,1496 D10.2@2053.66,1525 1932,1525 ; 900,1152 900,1248 932,1280 1461.5,1280 1523.5,1342 1835,1342 1865,1312 ; 1865,1312 1865,1388.92 1871,1394.92 1871,1464 1932,1525
VSS: *1.13 *1.21 *1.22 C1.1 C2.1 C3.1 C4.1 C5.1 C6.1 C7.2 C8.2 C9.1 C10.1 C11.2 C12.2 C13.2 C14.1 C15.1 C16.1 C17.1 C18.1 C19.1 C20.1 C21.1 C22.1 C23.1 C24.1 C25.1 C26.1 C27.1 C28.1 C29.1 C30.1 C31.1 C32.1 C33.2 C34.1 CR1.8 CR1.23 CR1.35 CR1.47 D1.1 D2.1 D3.1 D8.1 D9.1 IC1.1 IC2.1 IC3.1 IC4.1 J1.3 J2.5 M1.4 M2.10 M2.16 M3.10 M3.16 M4.1 M5.6 M6.6 M7.2 M8.2 M9.15 P2.3 P3.2 P4.3 P5.1 P7.3 P8.4 P9.3 P10.1 P11.3 P19.3 P20.3 P23.3 P24.3 P25.2 P26.2 P28.1 P31.4 P32.4 PI1.2 Q1.2 Q2.2 Q3.3 Q4.3 R5.1 R31.1 R36.1 S2.2 S3.2 S4.2 S5.2 S6.1 S6.2 S6.3 S7.1 S7.2 S7.3 U1.1 U1.11 U1.24 U1.34 U2.10 U2.19 U3.2 U4.7 U5.3 U5.29 | length 36201.1
  Top Layer w10: J1.3@166.34,988.15 330,824.49 ; P26.2@323.86,2230 379,2174.86 379,1925.14 P25.2@323.86,1870 323.86,1807.14 455,1676 455,1534 556,1534 590,1568 C15.1@590,1910 645,1910 649.45,1905.55 IC2.1@705.83,1905.55 825.1,1905.55 849.5,1929.95 PI1.2@849.5,2181.06 800,2181.06 C14.1@800,2470 800,2633.12 768,2665.12 C13.2@525,2665.12 ; P19.3@330,667 330,824.49 ; C11.2@615,1170 646,1170 646,1458.5 624,1480.5 579,1480.5 533.5,1435 500,1435 M2.10@500,1425 500,1224 330,1054 330,824.49 ; P24.3@960,665 1088,665 1145,608 S6.1@1145,475 ; C9.1@1025,2600 1184,2600 1220,2564 S5.2@1220,2478.7 1220,2469 1313.6,2469 ; C17.1@1075,1725 1075,1709.83 1024.17,1659 C18.1@1024.17,1645 1056,1645 1100,1601 M2.16@1100,1425 ; C4.1@1155,2145 1201,2145 1228.3,2117.7 S3.2@1275,2117.7 ; v1(1268,2059) v1@1275,2066 ; v1(1360,2162) 1275,2162 S3.2@1275,2117.7 ; v1(1363,2350) 1363,2419.6 ; C12.2@1406.46,1165 1325,1246.46 M3.10@1325,1425 1325,1472 1305,1492 1296,1492 1280,1508 1280,1704 1330,1754 C5.1@1330,1805 1330,1831 1268.7,1892.3 S4.2@1268.7,1920 1268.7,2015 1275,2021.3 v1@1275,2066 ; v1(1560.5,1126.5) 1589,1155 C27.1@1770,1155 1802,1155 1815,1168 1815,1184 1851,1220 1888,1220 1942.75,1274.75 1942.75,1369.75 ; P3.2@1565,2675 1783,2675 D9.1@1783,2656.34 1819,2656.34 1824,2651.34 D8.1@1860,2651.34 1860,2682 1888.75,2710.75 2271.25,2710.75 2305,2677 D3.1@2305,2641.34 D2.1@2391.42,2641.34 D1.1@2480,2641.34 v1(2480,2690) ; C3.1@1570,2270 1540.6,2270 1509.14,2301.46 1481.14,2301.46 S2.2@1450,2332.6 1363,2419.6 ; R5.1@1705,2110 1705,2057 1730,2032 C28.1@1730,1955 1730,1917 1740,1907 M8.2@1740,1870 1740,1808.55 1783,1765.55 P7.3@1783,1705 1783,1661 1925,1519 M3.16@1925,1425 1925,1387.5 1942.75,1369.75 ; v1(2172,1037) 2172,1176.28 2277.14,1281.42 CR1.35@2314,1281.42 ; M4.1@2368.15,950.55 2377,950.55 2377,984 2389,996 2593,996 2624,965 2624,955 C23.1@2650,955 ; CR1.23@2391.42,1536 2391.42,1668.42 v1(2398,1675) ; C2.1@2555,2310 2592,2310 2601,2301 v1(2601,2274) ; CR1.47@2568.58,1204 2568.58,1310.58 v1(2593,1335) 2593,1384.53 2608,1399.53 CR1.8@2646,1399.53 ; P5.1@2680,2030 2841.17,2030 2893.25,1977.92 2893.25,1770.75 2884,1761.5 2800,1761.5 P9.3@2800,1734 ; P32.4@2855,335 2616,96 2342.86,96 P31.4@2110,328.86 2180,398.86 P11.3@2180,735 2045,735 1971,809 1971,1027.25 1955.25,1043 1955.25,1357.25 1942.75,1369.75 ; C24.1@3045,920 3045,805.75 3032.25,793 3032.25,684.75 3102.59,614.41 ; v1(3087,629) 3101.59,614.41 3102.59,614.41 ; M5.6@3158.78,614.41 3102.59,614.41 ; R36.1@3290,1445 3290,1504 3300.04,1514.04 3300.04,1539.96 ; C29.1@3290,2320 3320,2320 3336,2336 3336,2572 3328,2580 C30.1@3295,2580 3295,2612 v1(3377,2612) ; M9.15@3300.04,1575 3300.04,1539.96 ; v1(3313,1527) 3300.04,1539.96 ; M1.4@3376.18,70 3376.18,118 3385,126.82 C1.1@3385,175 3385,208 ; P28.1@3380,405 3380,295 3385,290 3385,208 ; U5.29@3469.69,2518.5 3489.37,2498.82 U5.3@3561.19,2498.82 3612,2498.82 ; v1(3714,2585) R31.1@3645,2585 3645,2531.82 3612,2498.82 ; J2.5@3734.69,2485.55 3654.26,2485.55 3641,2498.82 3612,2498.82 ; C34.1@3850,1325 3822,1325 3783,1286 3728,1286 3710,1268 M6.6@3710,1215 3710,886 3634,810 3634,316 3534,216 3393,216 3385,208 ; v1@1275,2066 S3.2@1275,2117.7 ; 1313.6,2469 1363,2419.6 ; 1313.6,2469 1326,2469 1363,2432 1363,2419.6
  Bottom Layer w10: P25.2@323.86,1870 469.41,1724.45 503.45,1724.45 ; P26.2@323.86,2230 563.31,2469.45 IC1.1@720,2469.45 786,2469.45 786.55,2470 C16.1@1090,2470 ; P19.3@330,667 391,667 393,669 P20.3@455,669 514,669 555,710 824,710 P23.3@835,664 897,664 898,665 P24.3@960,665 ; M2.10@500,1425 500,1472 ; IC3.1@705.83,1724.45 656,1724.45 ; IC4.1@715.83,2099.45 684,2099.45 684,1998 645,1959 645,1735.45 656,1724.45 ; M2.16@1100,1425 1100,1472 ; S6.1@1145,475 S6.2@1245,475 S6.3@1345,475 1437,475 1442,470 S7.1@1535,470 S7.2@1635,470 S7.3@1735,470 ; U3.2@1225.25,2350 v1@1360,2350 ; v1(1268,2059) 1245,2082 C21.1@1245,2110 1245,2240 1200,2285 C20.1@1100,2285 1100,2252 1116,2236 1116,2112 1104,2100 C22.1@1075,2100 C19.1@1075,1905 1392,1905 1483,1814 1675,1814 1709,1848 1709,1870 M8.2@1740,1870 ; M3.10@1325,1425 1269,1481 1109,1481 1100,1472 ; v1(1360,2162) v1@1360,2151 ; v1(1363,2350) v1@1360,2350 ; Q2.2@1457.5,2572.21 1457.5,2587.5 1505,2635 1514,2635 ; v1(1560.5,1126.5) 1565,1122 U4.7@1565,1072.5 ; U1.24@1701.85,2255.63 1632,2255.63 1527.37,2151 v1@1360,2151 ; U1.34@1701.85,2649.33 1645.67,2649.33 1620,2675 P3.2@1565,2675 ; P7.3@1783,1705 1824,1705 1897.5,1778.5 2152,1778.5 2199,1731.5 P8.4@2199,1710 2267,1710 2285,1692 2392,1692 2420,1664 2420,1653 ; P11.3@2180,735 2172,735 2172,765 2084,853 2037,853 2003.25,886.75 2003.25,921 2119.25,1037 v1(2172,1037) 2258.45,950.55 M4.1@2368.15,950.55 ; v1(2398,1675) 2420,1653 ; C6.1@2420,1625 2420,1653 ; U1.11@2455,2255.63 2519.63,2255.63 ; v1(2480,2690) 2455,2665 U1.1@2455,2649.33 2757.67,2649.33 2827,2580 P4.3@2827,2530 2827,2432 2791,2396 2721,2396 2704,2413 2592,2413 2560,2381 2560,2296 2519.63,2255.63 ; v1(2593,1335) C8.2@2786,1335 2786,1260 C7.2@2781,1260 ; U2.19@2630,617 2630,672 2699.75,741.75 2862.25,741.75 2894,710 ; C10.1@2670,1175 2703.5,1175 2703.5,1216 2747.5,1260 C7.2@2781,1260 ; P5.1@2680,2030 2728,2030 2746,2048 2746,2240.5 2768,2262.5 ; Q1.2@2802.79,2262.5 2768,2262.5 ; P32.4@2855,335 2925,405 P2.3@3061,405 P2.3@3061,421 ; P10.1@2935,1540 3124.75,1540 3132,1547.25 3333.25,1547.25 ; v1(3087,629) 3130,586 ; *1.21@3187.72,1648.66 3187.72,1680 3166.25,1680 3150.25,1696 3150.25,1717.56 *1.22@3147,1717.56 ; M7.2@3220,710 3168,710 ; v1(3313,1527) 3333.25,1547.25 ; P28.1@3380,405 3380,448 3372,456 3096,456 ; *1.13@3670,1717.56 3670,1513 ; M6.6@3710,1215 3710,1264 3701.75,1272.25 3573.5,1272.25 3557.25,1288.5 3501,1288.5 3501,1328 3493,1336 3426.5,1336 3408,1317.5 C33.2@3365,1317.5 3365,1455.75 3384.25,1475 C31.1@3420,1475 3420,1446 3432,1434 3616,1434 3625,1443 3625,1456 3644,1475 C32.1@3670,1475 3670,1504 ; v1(3714,2585) 3741,2612 ; Q3.3@3888.36,2010 Q4.3@3888.36,2165 3888.36,2177.36 3891,2180 3891,2596 3875,2612 ; 500,1472 526.5,1498.5 1073.5,1498.5 1100,1472 ; 500,1472 455,1517 455,1676 503.45,1724.45 ; 503.45,1724.45 656,1724.45 ; v1@1360,2151 1358.25,2151 1349.25,2160 1349.25,2214 1378,2242.75 1378,2332 v1@1360,2350 ; v1@1360,2350 1514,2504 1514,2635 ; 1514,2635 1514,2664 1525,2675 P3.2@1565,2675 ; 1514,2635 1565,2635 P3.2@1565,2675 ; 2519.63,2255.63 2545.63,2255.63 ; 2545.63,2255.63 2582.63,2255.63 v1(2601,2274) ; 2545.63,2255.63 2564,2274 v1(2601,2274) ; v1(2601,2274) 2722.5,2274 ; 2722.5,2274 2809,2274 2902,2367 3008,2367 3008,2284 3036,2256 3036,1790.56 3109,1717.56 *1.22@3118.82,1717.56 *1.22@3147,1717.56 ; 2722.5,2274 2734,2262.5 2768,2262.5 ; C7.2@2781,1260 2781,1228.05 2914.05,1095 C25.1@3061,1095 3061,1059 3030,1028 U2.10@3030,993 3030,953 3008,931 2920,931 2894,905 2894,710 ; 2894,710 2904,700 3083,700 3093,710 3168,710 ; P2.3@3061,421 3096,456 ; P2.3@3061,421 3061,448 3069,456 3096,456 ; 3096,456 3130,490 C26.1@3130,506 3130,586 ; 3130,586 3130,672 3168,710 ; *1.22@3147,1717.56 3147,1736 3242,1831 3242,2477 v1(3377,2612) 3391.14,2597.86 3580.24,2597.86 3594.38,2612 3741,2612 ; 3333.25,1547.25 3353,1567 3616,1567 3670,1513 ; 3333.25,1547.25 3626.75,1547.25 3670,1504 ; 3670,1504 3670,1513 ; 3741,2612 3744,2615 3872,2615 3875,2612 ; 3741,2612 3875,2612
pads on no net: *1.3 *1.4 *1.5 *1.6 *1.7 *1.8 *1.9 *1.10 *1.14 *1.15 *1.16 *1.17 *1.18 *1.19 *1.20 *1.23 *1.25 *1.27 *1.28 *1.29 *1.30 *1.33 CR1.1 J2.4 J2.6 J2.7 J2.10 J2.11 J2.S_1 J2.S_1_H1 J2.S_1_H2 J2.S_2 J2.S_2_H1 J2.S_2_H2 M1.1 M2.15 M3.15 M6.4 M6.5 M8.5 M8.6 M8.7 M8.8 M8.9 M8.10 U1.4 U1.5 U1.6 U1.13 U1.14 U1.15 U1.16 U1.17 U1.21 U1.22 U2.8 U2.9 U2.11 U2.12 U3.4 U4.10 U4.11 U4.12 U4.13 U5.1 U5.2 U5.9 U5.10 U5.11 U5.13 U5.14 U5.15 U5.16 U5.17 U5.18 U5.19 U5.20 U5.21 U5.22 U5.23 U5.27

## Keep-outs
Keep-Out Layer:
  the board outline again, w20

## Text inside footprints (layer, text, board x,y; h text height)
B*1: Top Overlay "+" at 2855,2535 h112.5 r270
CR1: Top Overlay "*" at 2712.5,1261.89 h50 r180; Mechanical 13 "*" at 2619.5,1276.89 h50 r180
D1: Top Overlay "+" at 2468.19,2499.61 h30
D2: Top Overlay "+" at 2379.61,2499.61 h30
D3: Top Overlay "+" at 2293.19,2499.61 h30
D4: Top Overlay "+" at 2213.19,2499.61 h30
D5: Top Overlay "+" at 2133.19,2499.61 h30
D6: Top Overlay "+" at 2038.19,2499.61 h30
D7: Top Overlay "+" at 1943.19,2499.61 h30
D8: Top Overlay "+" at 1848.19,2509.61 h30
D9: Top Overlay "+" at 1771.19,2514.61 h30
D10: Bottom Overlay "+" at 1994.61,1513.19 h30 r270
D11: Top Overlay "+" at 3419.61,2706.81 h30 r270
PI1: Top Overlay "*" at 475,2426.44 h50 r270; Mechanical 13 "*" at 623,2297.5 h50 r270
S6: Top Overlay "3" at 1330.43,514.76 h40; Top Overlay "ON" at 1113.5,695.87 h40; Top Overlay "1" at 1135.94,514.76 h40; Top Overlay "2" at 1230.43,514.76 h40; Mechanical 13 "3" at 1330.43,514.76 h40; Mechanical 13 "1" at 1135.94,514.76 h40; Mechanical 13 "ON" at 1113.5,695.87 h40; Mechanical 13 "2" at 1230.43,514.76 h40
S7: Top Overlay "3" at 1720.43,509.76 h40; Top Overlay "ON" at 1503.5,690.87 h40; Top Overlay "1" at 1525.94,509.76 h40; Top Overlay "2" at 1620.43,509.76 h40; Mechanical 13 "3" at 1720.43,509.76 h40; Mechanical 13 "1" at 1525.94,509.76 h40; Mechanical 13 "ON" at 1503.5,690.87 h40; Mechanical 13 "2" at 1620.43,509.76 h40
U2: Mechanical 13 "*" at 2602,952 h50 r90; Bottom Overlay "*" at 2564,1015.5 h50 r90
U3: Bottom Overlay "*" at 1202.75,2300.6 h50 r180
U4: Mechanical 13 "*" at 1834,1099 h50 r270; Bottom Overlay "*" at 1881,1050 h50 r270
U5: Top Overlay "*" at 3617.68,2474.6 h50 r180; Mechanical 13 "*" at 3554.68,2474.6 h50 r180